# Altium PCB cat.PcbDoc (part 1 of 3) (continued)
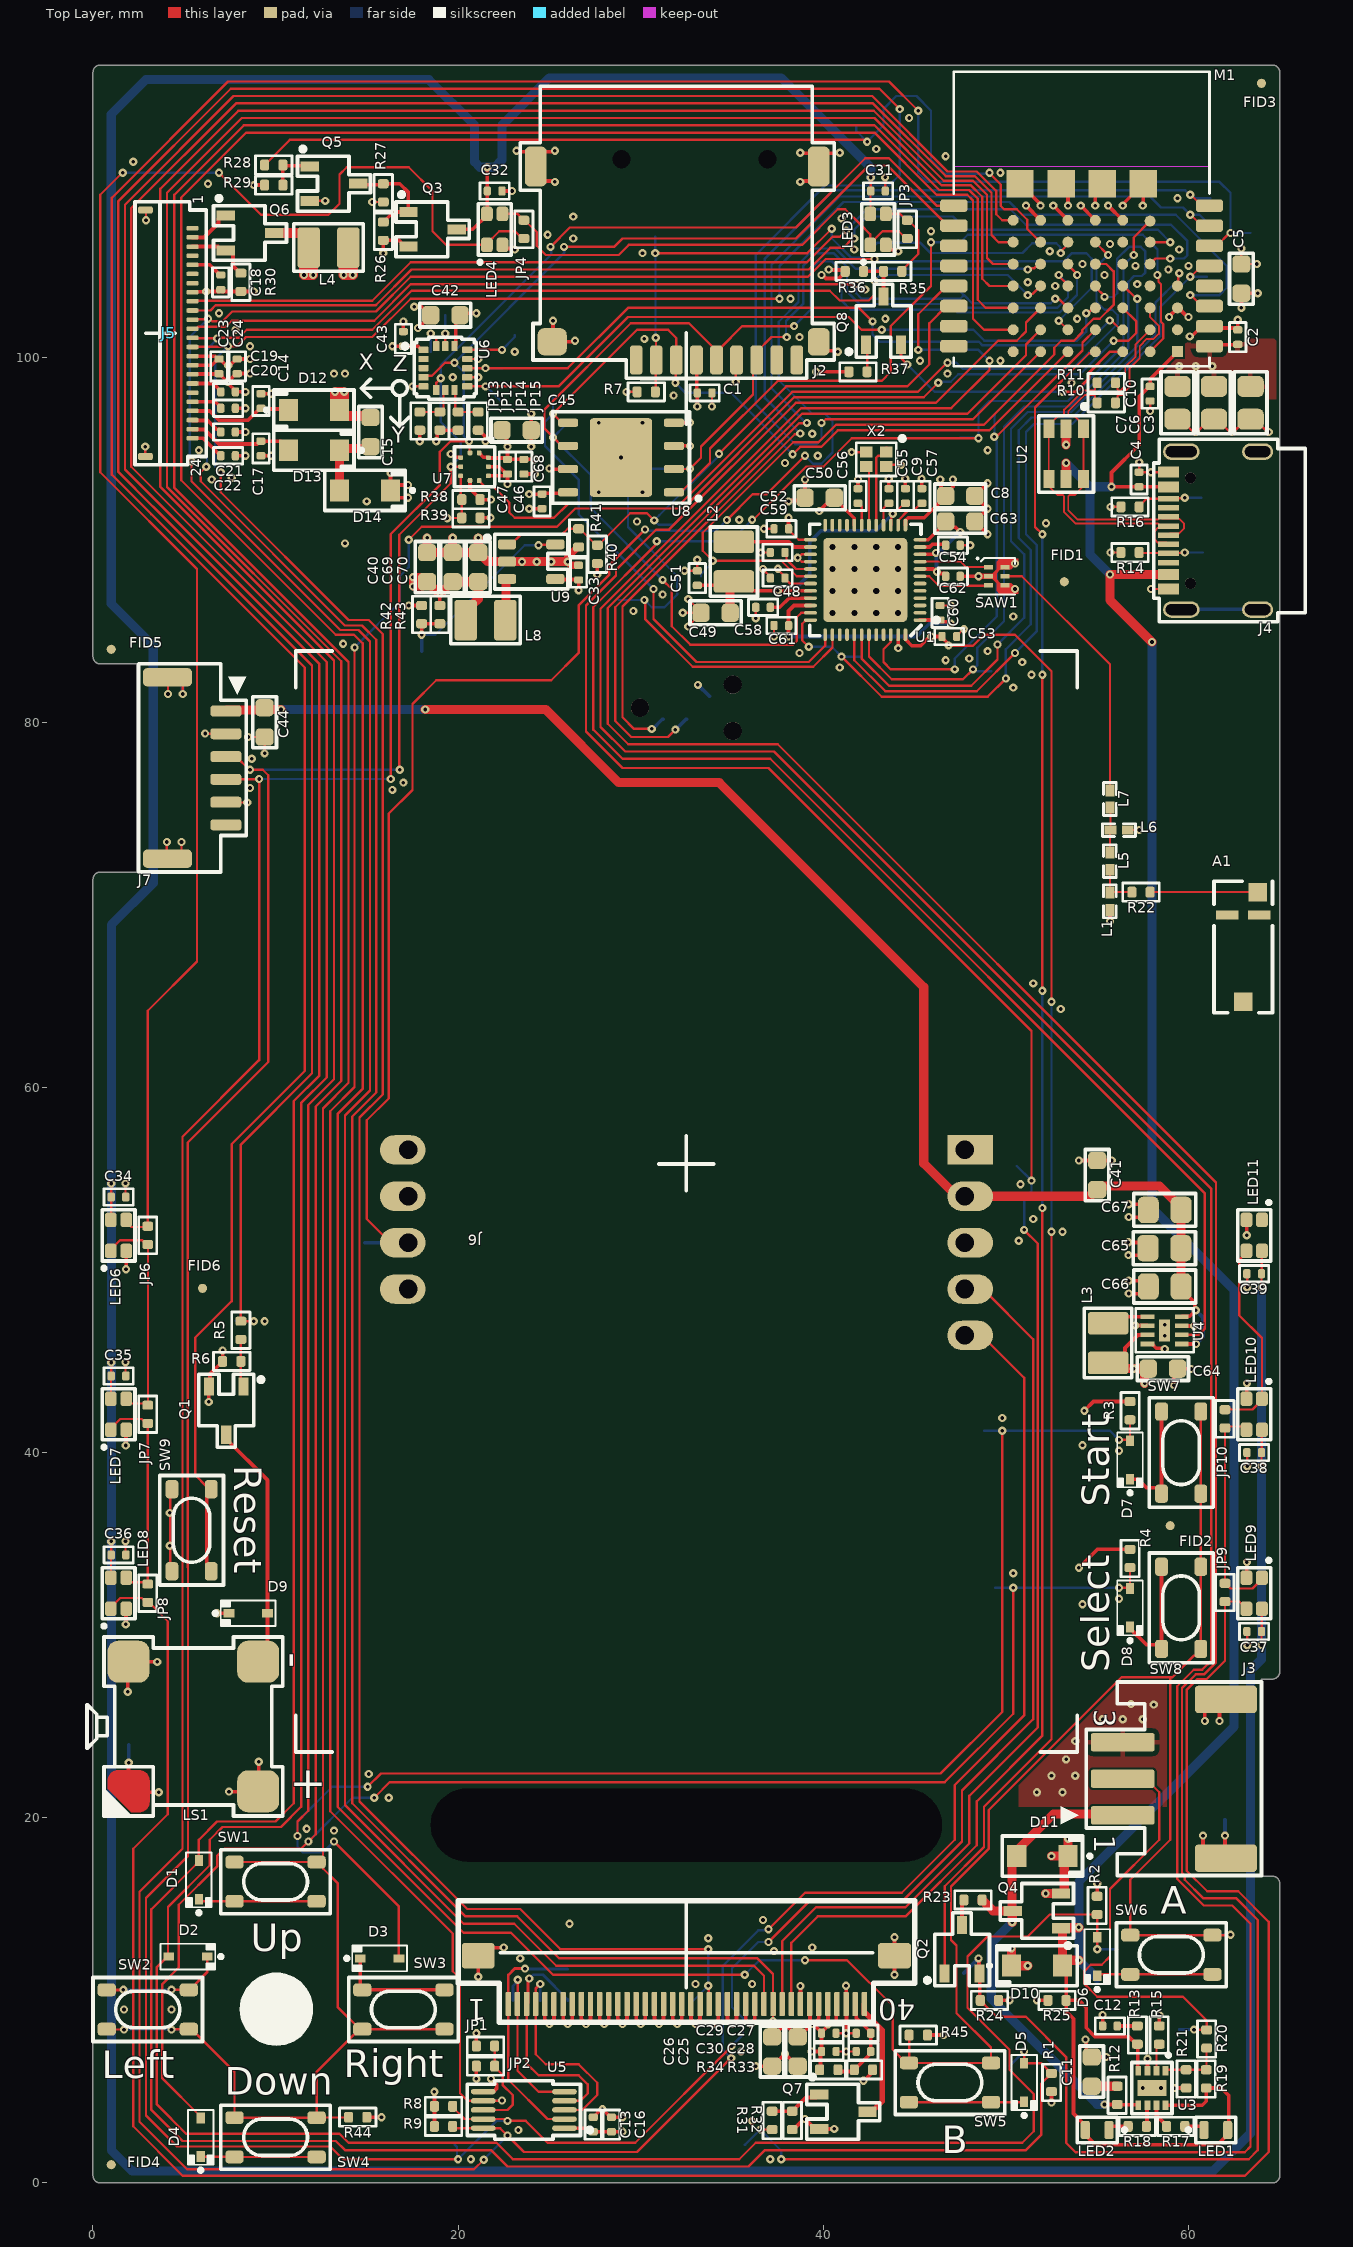
[diagram p0: Top Layer view]
## Classes and differential pairs
net class RF: ANTWIFI NetL1_2 NetL5_2 NetL7_2 NetSAW1_1 NetSAW1_3
component class sensors: C41 C42 C43 C44 C45 C46 C47 J7 JP12 JP13 JP14 JP15 M2 R38 R39 TP18 TP19 TP20 TP21 TP22 TP23 TP24 TP27 TP28 TP31 TP32 U6 U7
component class blinkenlights: C31 C32 C34 C35 C36 C37 C38 C39 JP3 JP4 JP6 JP7 JP8 JP9 JP10 LED3 LED4 LED6 LED7 LED8 LED9 LED10 LED11 Q8 R35 R36 R37 s
component class display: a C13 C14 C15 C16 C17 C18 C19 C20 C21 C22 C23 C24 C25 C26 C27 C28 C29 C30 D12 D13 D14 J5 J6 JP1 JP2 L4 Q6 Q7 R30 R31 R32 R33 R34 TP12 TP13 TP14 TP15 TP16 TP17 U5
differential pair class USB_DIFF: USB0 USB1
net class 90_OHM: USB0_D+ USB0_D- USB1_D+ USB1_D-
component class power: C10 C11 C12 C33 C40 C64 C65 C66 C67 C69 C70 D10 D11 J3 J4 L3 L8 LED1 LED2 Q2 Q3 Q4 Q5 R12 R13 R14 R15 R16 R17 R18 R19 R20 R21 R23 R24 R25 R26 R27 R28 R29 R40 R41 R42 R43 TP2 TP4 TP5 TP6 TP7 TP8 TP9 TP10 TP11 U2 U3 U4 U9
component class microcontroller: A1 C1 C2 C3 C4 C5 C6 C7 C8 C9 C48 C49 C50 C51 C52 C53 C54 C55 C56 C57 C58 C59 C60 C61 C62 C63 C68 FID1 FID2 FID3 FID4 FID5 FID6 J1 J2 L1 L2 L5 L6 L7 M1 R7 R8 R9 R10 R11 R22 SAW1 TP1 TP3 TP25 TP26 TP29 TP30 TP33 TP34 TP35 TP36 TP37 TP38 TP39 TP40 TP41 TP42 TP43 TP44 TP45 TP46 TP47 TP48 TP49 TP50 TP51 TP52 TP53 TP54 TP55 TP56 TP57 TP58 TP59 TP60 TP61 TP62 U1 U8 X2
component class user_interface: D1 D2 D3 D4 D5 D6 D7 D8 D9 LS1 Q1 R1 R2 R3 R4 R5 R6 R44 R45 SW1 SW2 SW3 SW4 SW5 SW6 SW7 SW8 SW9
differential pair USB1: +USB1_D+ -USB1_D-
differential pair USB0: +USB0_D+ -USB0_D-

## Components (designator, comment, footprint, x,y, rotation, side; value= is the part's Value field where it differs from the comment)
A1 "" NN03-320 63,67.7 r90 top locked value=NN03-320
C1 "GRM155R71E104KE14D" 0402_capacitor 33.5,98.043 r180 top
C2 "GRM155R71E104KE14D" 0402_capacitor 62.7,101.1 r90 top
C3 "GRT21BR61E226ME13L" 0805_capacitor 63.4,97.5 r90 top value=22μF
C4 "GRM155R71E104KE14D" 0402_capacitor 57.3,93.3 r90 top
C5 "CL10A106MA8NRNC" 0603_capacitor 62.9,104.3 r270 top value=10µF
C6 "GRT21BR61E226ME13L" 0805_capacitor 61.4,97.5 r90 top value=22μF
C7 "GRT21BR61E226ME13L" 0805_capacitor 59.4,97.5 r90 top value=22μF
C8 "C1608X5R1E475K080AC" 0603_capacitor 47.5,92.4 r180 top value=4.7μF
C9 "CL05Y474KP5VPJC" 0402_capacitor 44.5,92.4 r90 top
C10 "GRM155R71E104KE14D" 0402_capacitor 57.9,98 r90 top
C11 "CL10A106MA8NRNC" 0603_capacitor 54.7,6.1 r270 top value=10µF
C12 "CL05A475KP5NRNC" 0402_capacitor 55.7,8.6 r0 top value=4.7µF
C13 "GRM155R61E105KA12D" 0402_capacitor 27.4,3.2 r270 top
C14 "GRM155R61E105KA12D" 0402_capacitor 9.2,97.6 r270 top
C15 "C1608X5R1E475K080AC" 0603_capacitor 15.2,95.9 r270 top value=4.7μF
C16 "GRM155R71E104KE14D" 0402_capacitor 28.4,3.2 r270 top
C17 "GRM155R61E105KA12D" 0402_capacitor 9.2,95 r90 top
C18 "GRM155R61E105KA12D" 0402_capacitor 7,104.1 r90 top
C19 "GRM155R61E105KA12D" 0402_capacitor 7.4,98.1 r180 top
C20 "GRM155R61E105KA12D" 0402_capacitor 7.4,97.2 r180 top
C21 "GRM155R61E105KA12D" 0402_capacitor 7.4,95.9 r180 top
C22 "GRM155R61E105KA12D" 0402_capacitor 7.4,94.6 r180 top
C23 "GRM155R61E105KA12D" 0402_capacitor 6.9,99.5 r90 top
C24 "GRM155R71E104KE14D" 0402_capacitor 7.9,99.5 r90 top
C25 "CL10A106MA8NRNC" 0603_capacitor 38.6,7.2 r90 top value=10µF
C26 "CL10A106MA8NRNC" 0603_capacitor 37.2,7.2 r90 top value=10µF
C27 "GRM155R71E104KE14D" 0402_capacitor 42.2,8.2 r0 top
C28 "GRM155R71E104KE14D" 0402_capacitor 42.2,7.2 r0 top
C29 "GRM155R71E104KE14D" 0402_capacitor 40.3,8.2 r180 top
C30 "GRM155R71E104KE14D" 0402_capacitor 40.3,7.2 r180 top
C31 "GRM155R71E104KE14D" 0402_capacitor 43,109.1 r180 top
C32 "GRM155R71E104KE14D" 0402_capacitor 22,109.1 r180 top
C33 "CL05A475KP5NRNC" 0402_capacitor 26.6,88.2 r270 top value=4.7µF
C34 "GRM155R71E104KE14D" 0402_capacitor 1.4,54 r180 top
C35 "GRM155R71E104KE14D" 0402_capacitor 1.4,44.2 r180 top
C36 "GRM155R71E104KE14D" 0402_capacitor 1.4,34.4 r180 top
C37 "GRM155R71E104KE14D" 0402_capacitor 63.6,30.2 r0 top
C38 "GRM155R71E104KE14D" 0402_capacitor 63.6,40 r0 top
C39 "GRM155R71E104KE14D" 0402_capacitor 63.6,49.8 r0 top
C40 "CL10A106MA8NRNC" 0603_capacitor 18.3,88.5 r270 top value=10µF
C41 "CL10A106MA8NRNC" 0603_capacitor 55,55.2 r270 top value=10µF
C42 "CL10A106MA8NRNC" 0603_capacitor 19.3,102.3 r0 top value=10µF
C43 "GRM155R71E104KE14D" 0402_capacitor 17,101 r270 top
C44 "CL10A106MA8NRNC" 0603_capacitor 9.4,80 r90 top value=10µF
C45 "CL10A106MA8NRNC" 0603_capacitor 23.2,96 r180 top value=10µF
C46 "GRM155R71E104KE14D" 0402_capacitor 23.6,94 r90 top
C47 "GRM155R71E104KE14D" 0402_capacitor 22.7,94 r90 top
C48 "GRM155R61E105KA12D" 0402_capacitor 37.5,87.9 r0 top
C49 "C1608X5R1E475K080AC" 0603_capacitor 34.1,86 r0 top value=4.7μF
C50 "C1608X5R1E475K080AC" 0603_capacitor 39.8,92.3 r0 top value=4.7μF
C51 "GCM155R71C224KE02D" 0402_capacitor 33.1,87.901 r270 top value=220nF
C52 "GRM155D71C225ME11D" 0402_capacitor 37.7,90.6 r0 top value=2.2μF
C53 "GRM155D71C225ME11D" 0402_capacitor 46.9,84.7 r180 top value=2.2μF
C54 "CL05Y474KP5VPJC" 0402_capacitor 47.1,89.7 r180 top
C55 "GRM155D71C225ME11D" 0402_capacitor 43.6,92.4 r270 top value=2.2μF
C56 "GRM155R61E105KA12D" 0402_capacitor 41.9,92.4 r270 top
C57 "C0402C223K4RECAUTO" 0402_capacitor 45.4,92.4 r90 top value=22nF
C58 "GRM155R61E105KA12D" 0402_capacitor 36.7,86.3 r0 top
C59 "CL05B103KA5NNNC" 0402_capacitor 37.5,89.3 r0 top
C60 "GRM155D71C225ME11D" 0402_capacitor 46.4,86 r270 top value=2.2μF
C61 "GRM155R71E104KE14D" 0402_capacitor 37.7,85.3 r180 top
C62 "GRM155R71E104KE14D" 0402_capacitor 47.1,88 r0 top
C63 "C1608X5R1E475K080AC" 0603_capacitor 47.5,91 r180 top value=4.7μF
C64 "C1608X5R1E475K080AC" 0603_capacitor 58.6,44.6 r180 top value=4.7μF
C65 "GRT21BR61E226ME13L" 0805_capacitor 58.684,51.2 r0 top value=22μF
C66 "GRT21BR61E226ME13L" 0805_capacitor 58.7,49.1 r0 top value=22μF
C67 "GRT21BR61E226ME13L" 0805_capacitor 58.7,53.291 r0 top value=22μF
C68 "GRM155R71E104KE14D" 0402_capacitor 24.6,92.1 r90 top
C69 "CL10A106MA8NRNC" 0603_capacitor 19.7,88.5 r270 top value=10µF
C70 "CL10A106MA8NRNC" 0603_capacitor 21.1,88.5 r270 top value=10µF
D1 "BAS316,115" SOD-323 5.8,16.6 r90 top
D2 "BAS316,115" SOD-323 5.2,12.4 r180 top
D3 "BAS316,115" SOD-323 15.7,12.3 r0 top
D4 "BAS316,115" SOD-323 5.9,2.5 r90 top
D5 "BAS316,115" SOD-323 51,5.5 r90 top
D6 "BAS316,115" SOD-323 55,12.4 r90 top
D7 "BAS316,115" SOD-323 56.8,39.6 r90 top
D8 "BAS316,115" SOD-323 56.8,31.5 r90 top
D9 "BAS316,115" SOD-323 8.5,31.2 r0 top
D10 "SS34FA" SOD-123 51.7,11.9 r0 top
D11 "SS34FA" SOD-123 52,17.9 r180 top
D12 "SS2040FL" SOD-123 12.1,97.1 r0 top
D13 "SS2040FL" SOD-123 12.1,94.9 r180 top
D14 "SS2040FL" SOD-123 14.9,92.7 r180 top
FID1 "fiducial" fiducial-0.5 53.2,87.7 r90 top
FID2 "fiducial" fiducial-0.5 59,36 r90 top
FID3 "fiducial" fiducial-0.5 64,115 r90 top
FID4 "fiducial" fiducial-0.5 1,1 r90 top
FID5 "fiducial" fiducial-0.5 1,84 r90 top
FID6 "fiducial" fiducial-0.5 6,49 r90 top
J1 "SWD Debug" TAG-Connect 32.5,80.8 r0 bottom
J2 "Micro SD" TF-115YY-BCP9 32,106.343 r180 top locked
J3 "Battery Connector" S3B-PH-SM4-TB 59.2,22.137 r270 top
J4 "USB-C" USB_C_2.0_M12 62.4,90.5 r90 top
J5 "E-Paper: E2206KS0E1" E2206KS0E1 32.5,98.835 r0 top locked
J6 "LCD: CH240QV23A-T" CH240QV23A-T 32.5,48 r270 top locked
J7 "SEN55" SM06B-GHS-TB 5,77.5 r270 top
JP1 "RC0402FR-070RL" 0402_resistor 21.5,7.5 r0 top value=0Ω
JP2 "RC0402FR-070RL" 0402_resistor 21.5,6.4 r180 top value=0Ω
JP3 "RC0402FR-070RL" 0402_resistor 44.6,107 r270 top value=0Ω
JP4 "RC0402FR-070RL" 0402_resistor 23.6,107 r270 top value=0Ω
JP6 "RC0402FR-070RL" 0402_resistor 3,51.9 r270 top value=0Ω
JP7 "RC0402FR-070RL" 0402_resistor 3,42.1 r270 top value=0Ω
JP8 "RC0402FR-070RL" 0402_resistor 3,32.3 r270 top value=0Ω
JP9 "RC0402FR-070RL" 0402_resistor 62,32.345 r90 top value=0Ω
JP10 "RC0402FR-070RL" 0402_resistor 62,41.85 r90 top value=0Ω
JP12 "RC0402FR-070RL" 0402_resistor 19,96.5 r90 top value=0Ω
JP13 "RC0402FR-070RL" 0402_resistor 17.9,96.5 r270 top value=0Ω
JP14 "RC0402FR-070RL" 0402_resistor 20,96.5 r90 top value=0Ω
JP15 "RC0402FR-070RL" 0402_resistor 21.1,96.5 r270 top value=0Ω
L1 "" INDC1005X04L 55.7,70.2 r90 top value=7.5nH
L2 "DFE252012F-3R3M=P2" INDC2520X12N 35.1,88.8 r90 top value=3.3μH
L3 "252012CDMCDDS-1R0MC" INDC2520X12N 55.6,46 r90 top value=1.0μH
L4 "PA4335.103NLT" INDC2520X12N 12.9,106 r180 top value=10uH
L5 "" INDC1005X04L 55.7,72.4 r90 top value=2.7nH
L6 "" INDC1005X04L 56.2,74.1 r180 top value=7.5nH
L7 "" INDC1005X04L 55.7,75.8 r90 top value=2.7nH
L8 "252012CDMCDDS-1R0MC" INDC2520X12N 21.5,85.6 r180 top value=1.0μH
LED1 "XL-1608SURC-06" 0603_DIODE 61.5,2.9 r0 top
LED2 "XL-1608UGC-04" 0603_DIODE 55,2.9 r180 top
LED3 "E-paper Right" XL-1615RGBC-WS2812B 43,107 r90 top
LED4 "E-Paper Left" XL-1615RGBC-WS2812B 22,107 r90 top
LED6 "XL-1615RGBC-WS2812B" XL-1615RGBC-WS2812B 1.4,51.9 r90 top
LED7 "WS2812B" XL-1615RGBC-WS2812B 1.4,42.1 r90 top
LED8 "XL-1615RGBC-WS2812B" XL-1615RGBC-WS2812B 1.4,32.3 r90 top
LED9 "WS2812B" XL-1615RGBC-WS2812B 63.6,32.3 r270 top
LED10 "XL-1615RGBC-WS2812B" XL-1615RGBC-WS2812B 63.6,42.1 r270 top
LED11 "WS2812B" XL-1615RGBC-WS2812B 63.6,51.9 r270 top
LS1 "SMD-8503-3627-16" 8585_speaker 5.5,25 r270 top
M1 "nRF5340 Module" BT40 54.15,104.967 r0 top
M2 "CO2 Sensor" 006-0-0008 32.5,51.5 r180 bottom
Q1 "N-FET" SOT95P280X115-3N 7.3,42.3 r270 top
Q2 "N-FET" SOT95P280X115-3N 47.6,12.8 r90 top
Q3 "P-FET" SOT95P280X115-3N 18.6,107 r0 top
Q4 "P-FET" SOT95P280X115-3N 51.7,14.9 r180 top
Q5 "N-FET" SOT95P280X115-3N 13.2,109.5 r0 top
Q6 "N-FET" SOT95P280X115-3N 8.6,106.8 r0 top
Q7 "N-FET" SOT95P280X115-3N 41.1,3.9 r0 top
Q8 "N-FET" SOT95P280X115-3N 43.3,102 r90 top
R1 "RC0402FR-075K1L" 0402_resistor 52.5,5.5 r90 top value=5.1kΩ
R2 "RC0402FR-075K1L" 0402_resistor 55,15.2 r270 top value=5.1kΩ
R3 "RC0402FR-075K1L" 0402_resistor 56.8,42.3 r270 top value=5.1kΩ
R4 "RC0402FR-075K1L" 0402_resistor 56.8,34.2 r270 top value=5.1kΩ
R5 "RC0402JR-071KL" 0402_resistor 8.1,46.7 r270 top value=1kΩ
R6 "RC0402FR-0710KL" 0402_resistor 7.6,45 r180 top value=10kΩ
R7 "RC0402FR-07100KL" 0402_resistor 30.3,98.1 r0 top value=100kΩ
R8 "RC0402FR-072K2L" 0402_resistor 19.2,4.2 r0 top value=2.2kΩ
R9 "RC0402FR-072K2L" 0402_resistor 19.2,3.1 r0 top value=2.2kΩ
R10 "RC0402FR-070RL" 0402_resistor 55.5,97.5 r0 top value=0Ω
R11 "RC0402FR-070RL" 0402_resistor 55.5,98.6 r0 top value=0Ω
R12 "0402WGF100KTCE" 0402_resistor 56.1,4.8 r270 top value=1Ω
R13 "0402WGF100KTCE" 0402_resistor 57.2,8.1 r270 top value=1Ω
R14 "RC0402FR-075K1L" 0402_resistor 56.8,89.3 r0 top value=5.1kΩ
R15 "Rset" 0402_resistor 58.4,8.1 r270 top value=1kΩ
R16 "RC0402FR-075K1L" 0402_resistor 56.8,91.8 r0 top value=5.1kΩ
R17 "RC0402JR-071KL" 0402_resistor 59.3,3.1 r180 top value=1kΩ
R18 "RC0402JR-071KL" 0402_resistor 57.2,3.1 r0 top value=1kΩ
R19 "RC0402FR-076K8L" 0402_resistor 60.975,5.7 r90 top value=6.8kΩ
R20 "RC0402JR-071KL" 0402_resistor 61,7.886 r270 top value=1kΩ
R21 "Rset" 0402_resistor 59.875,5.7 r90 top value=1kΩ
R22 "RC0402FR-070RL" 0402_resistor 57.4,70.7 r0 top value=0Ω
R23 "RC0402FR-07100KL" 0402_resistor 48.2,15.5 r0 top value=100kΩ
R24 "RC0402FR-07100KL" 0402_resistor 49.1,10 r180 top value=100kΩ
R25 "RC0402FR-07100KL" 0402_resistor 52.8,10 r0 top value=100kΩ
R26 "RC0402FR-075K1L" 0402_resistor 15.9,106.9 r270 top value=5.1kΩ
R27 "RC0402FR-0710KL" 0402_resistor 15.9,109 r270 top value=10kΩ
R28 "RC0402JR-071KL" 0402_resistor 9.9,110.525 r0 top value=1kΩ
R29 "RC0402FR-0710KL" 0402_resistor 9.9,109.425 r180 top value=10kΩ
R30 "RL0402FR-070R47L" 0402_resistor 8.1,104.1 r90 top value=0.47Ω
R31 "RC0402JR-071KL" 0402_resistor 37.2,3.425 r90 top value=1kΩ
R32 "RC0402FR-0710KL" 0402_resistor 38.3,3.425 r270 top value=10kΩ
R33 "RC0402JR-0710RL" 0402_resistor 42.2,6.2 r0 top value=10Ω
R34 "RC0402JR-0710RL" 0402_resistor 40.3,6.2 r180 top value=10Ω
R35 "RMCF0402FT27R0" 0402_resistor 43.8,104.7 r0 top
R36 "RC0402FR-075K1L" 0402_resistor 41.7,104.7 r180 top value=5.1kΩ
R37 "RC0402FR-075K1L" 0402_resistor 41.9,99.2 r180 top value=5.1kΩ
R38 "RC0402FR-070RL" 0402_resistor 20.7,92.2 r180 top value=0Ω
R39 "RC0402FR-070RL" 0402_resistor 20.7,91.2 r0 top value=0Ω
R40 "RC0402FR-0710KL" 0402_resistor 27.625,89.2 r270 top value=10kΩ
R41 "RC0402FR-0710KL" 0402_resistor 26.6,90.1 r90 top value=10kΩ
R42 "RC0402FR-07100KL" 0402_resistor 18,85.9 r270 top value=100kΩ
R43 "RC0402FR-07442KL" 0402_resistor 19,85.9 r90 top value=442kΩ
R44 "RC0402JR-071KL" 0402_resistor 14.5,3.6 r180 top value=1kΩ
R45 "RC0402JR-071KL" 0402_resistor 45.2,8.1 r180 top value=1kΩ
SAW1 "Diplexer" CAF-50P160X80-6N 49.5,88 r0 top
SW1 "Up" PTS815 10,16.5 r180 top locked
SW2 "Left" PTS815 3,9.5 r0 top locked
SW3 "Right" PTS815 17.003,9.5 r0 top locked
SW4 "Down" PTS815 10,2.5 r180 top locked
SW5 "B" PTS815 46.938,5.5 r180 top locked
SW6 "A" PTS815 59.062,12.5 r180 top locked
SW7 "Start" PTS815 59.6,40 r90 top
SW8 "Select" PTS815 59.6,31.5 r90 top
SW9 "Reset" PTS815 5.4,35.75 r90 top
TP1 "test_point-1" test_point-1 61.15,100.599 r90 bottom
TP2 "test_point-1" test_point-1 18,83.9 r90 bottom
TP3 "test_point-1" test_point-1 30.8,106.6 r90 bottom
TP4 "test_point-1" test_point-1 59.5,8.4 r0 bottom
TP5 "test_point-1" test_point-1 50.346,15.339 r90 bottom
TP6 "test_point-1" test_point-1 60.7,89.3 r180 bottom
TP7 "test_point-1" test_point-1 60.7,92.3 r180 bottom
TP8 "test_point-1" test_point-1 55,11.2 r90 bottom
TP9 "test_point-1" test_point-1 1.958,24.001 r90 bottom
TP10 "test_point-1" test_point-1 54.6,90.6 r0 bottom
TP11 "test_point-1" test_point-1 50.3,11.9 r90 bottom
TP12 "test_point-1" test_point-1 26,11.7 r90 bottom
TP13 "test_point-1" test_point-1 24.5,10 r90 bottom
TP14 "test_point-1" test_point-1 26,10 r90 bottom
TP15 "test_point-1" test_point-1 23,10 r90 bottom
TP16 "SENSOR_SDA" test_point-1 23.5,1.8 r0 bottom
TP17 "SENSOR_SCL" test_point-1 19.8,2.1 r0 bottom
TP18 "CO2_nRDY" test_point-1 14.9,51.5 r90 bottom
TP19 "SENSOR_SDA" test_point-1 62,19.9 r90 bottom
TP20 "test_point-1" test_point-1 22.4,99.4 r90 bottom
TP21 "test_point-1" test_point-1 22.4,97.6 r90 bottom
TP22 "test_point-1" test_point-1 18.5,100.3 r90 bottom
TP23 "test_point-1" test_point-1 19.3,102.3 r90 bottom
TP24 "test_point-1" test_point-1 23.2,101.3 r90 bottom
TP25 "test_point-1" test_point-1 49.4,96.8 r90 bottom
TP26 "test_point-1" test_point-1 33.3,88 r90 bottom
TP27 "SENSOR_SDA" test_point-1 61.8,86.2 r90 bottom
TP28 "SENSOR_SDA" test_point-1 20.3,91.2 r180 bottom
TP29 "test_point-1" test_point-1 49.2,82.8 r90 bottom
TP30 "test_point-1" test_point-1 21.375,4.5 r90 bottom
TP31 "SENSOR_SCL" test_point-1 52.2,99.757 r90 bottom
TP32 "SENSOR_SDA" test_point-1 4.906,82.606 r270 bottom
TP33 "test_point-1" test_point-1 61.3,104.4 r90 bottom
TP34 "test_point-1" test_point-1 47.7,11.5 r90 bottom
TP35 "test_point-1" test_point-1 32.3,91.3 r90 bottom
TP36 "test_point-1" test_point-1 41.8,112.6 r90 bottom
TP37 "test_point-1" test_point-1 57.4,102 r90 bottom
TP38 "test_point-1" test_point-1 61.2,107.2 r90 bottom
TP39 "test_point-1" test_point-1 61.2,108.7 r90 bottom
TP40 "test_point-1" test_point-1 63.4,106.8 r90 bottom
TP41 "test_point-1" test_point-1 43.6,99.6 r90 bottom
TP42 "test_point-1" test_point-1 47.5,95.6 r90 bottom
TP43 "test_point-1" test_point-1 43,107.3 r90 bottom
TP44 "test_point-1" test_point-1 49.635,107.665 r90 bottom
TP45 "test_point-1" test_point-1 50.2,6.4 r90 bottom
TP46 "test_point-1" test_point-1 56.1,12.8 r90 bottom
TP47 "test_point-1" test_point-1 48.8,41.2 r90 bottom
TP48 "test_point-1" test_point-1 49.4,32.6 r90 bottom
TP49 "test_point-1" test_point-1 5.4,8.4 r90 bottom
TP50 "test_point-1" test_point-1 61.3,13.6 r90 bottom
TP51 "test_point-1" test_point-1 35.7,2.1 r90 bottom
TP52 "test_point-1" test_point-1 7.825,47.225 r90 bottom
TP53 "test_point-1" test_point-1 37.2,7.8 r90 bottom
TP54 "test_point-1" test_point-1 32.8,9.9 r90 bottom
TP55 "test_point-1" test_point-1 47.4,106.4 r90 bottom
TP56 "test_point-1" test_point-1 5.4,93.2 r90 bottom
TP57 "test_point-1" test_point-1 25.2,97.8 r90 bottom
TP58 "test_point-1" test_point-1 28.8,86.7 r90 bottom
TP59 "test_point-1" test_point-1 47.5,103.6 r90 bottom
TP60 "test_point-1" test_point-1 50.6,55.7 r90 bottom
TP61 "test_point-1" test_point-1 25.9,96.3 r90 bottom
TP62 "test_point-1" test_point-1 42,83.6 r90 bottom
U1 "Wi-Fi6 Companion Chip" QFN40P600X600X60-48N 42.3,87.8 r180 top
U2 "USB TVS" SOT95P280X110-6N 53.3,94.7 r270 top
U3 "Li+ Charger" SON50P200X80_HS-9N 58,5.2 r270 top
U4 "5V Boost" SON50P200X50_HS-9N 58.7,46.7 r0 top
U5 "Resistive Touch Controller" TSSOP50P490X112-10N 23.6,4 r180 top
U6 "3-Axis Accelerometer" LGA50P300X300X100-16N 19.3,99.4 r0 top locked
U7 "Barometer" LPS22 20.9,94 r270 top
U8 "128Mb Flash" WDFN-8 28.92,94.505 r180 top
U9 "Buck" SOT95P280X115-5N 24,88.8 r0 top
X2 "40MHz" 1612_CRYSTAL 42.9,94.4 r180 top

## Footprints (in the part's own frame and the unit in brackets; to place one, negate y for a bottom-side part, rotate by r counter-clockwise, add the part's x,y. Pads: shape width x height; smd on the part's side, far side on the other; paste and mask are expansions set on the pad)
006-0-0008 [mm] "Sunrise CO2 sensor"
  rect 2.5x1.62 hole 1.02 copper offset -0.3,0: 1(-15.24,5.08)
  oval 2.5x1.62 hole 1.02 copper offset -0.3,0: 2(-15.24,2.54) 3(-15.24,0) 4(-15.24,-2.54) 5(-15.24,-5.08)
  oval 2.5x1.62 hole 1.02 copper offset 0.3,0: 6(15.24,-2.54) 7(15.24,0) 8(15.24,2.54) 9(15.24,5.08)
  silkscreen extent -17.04,-9.85 17,9.85, body extent -17.04,-9.85 16.51,9.85, height 14.02
0402_capacitor [mm] "0402 chip capacitor"
  rrect50% 0.4x0.5 smd: 1(-0.4,0) 2(0.4,0)
  silkscreen extent -0.8,-0.45 0.8,0.45, body extent -0.53,-0.28 0.53,0.28, height 0.55
0402_resistor [mm] "Chip Resistor, 2-Leads, Body 1.00x0.50mm, IPC Medium Density"
  rrect50% 0.5x0.6 smd: 1(-0.5,0) 2(0.5,0)
  silkscreen extent -1,-0.5 1,0.5, body extent -0.53,-0.28 0.53,0.28, height 0.4
0603_capacitor [mm] "Chip Capacitor, 2-Leads, Body 1.60x0.80mm, IPC Medium Density"
  rrect50% 0.95x1 smd: 1(-0.8,0) 2(0.8,0)
  silkscreen extent -1.4,-0.65 1.4,0.65, body extent -0.87,-0.48 0.87,0.48, height 0.87
0603_DIODE [mm]
  rrect50% 0.5x1 smd: 1(-0.65,0) 2(0.65,0)
  silkscreen extent -1.61,-0.7 1.1,0.7, body extent -0.81,-0.4 0.81,0.4, height 0.74
0805_capacitor [mm] "Chip Capacitor, 2-Leads, Body 2.00x1.25mm, IPC Medium Density"
  rrect50% 1.15x1.45 smd: 1(-0.9,0) 2(0.9,0)
  silkscreen extent -1.7,-0.9 1.7,0.9, body extent -1.15,-0.72 1.15,0.72, height 0.95
1612_CRYSTAL [mm] "Crystal 1.6 x 1.2 mm"
  rect 0.7x0.6 smd: 1(-0.55,-0.4) 2(0.55,-0.4) 3(0.55,0.4) 4(-0.55,0.4)
  silkscreen extent -1.55,-1.27 1.09,0.91, body extent -0.83,-0.63 0.83,0.63, height 0.41
8585_speaker [mm]
  rrect50% 2.3x2.3 smd: +(3.55,3.55) -(-3.55,3.55) MP(-3.55,-3.55)
  round 0.025 smd: MP(3.55,-3.55)
  Top Layer region: 4.125,-2.4 4.345,-2.444 4.532,-2.568 4.656,-2.755 4.7,-2.975 4.7,-2.975 4.7,-3.4 3.4,-4.7 2.975,-4.7 2.755,-4.656 2.568,-4.532 2.444,-4.345 2.4,-4.125 2.4,-4.125 2.4,-2.975 2.444,-2.755 2.568,-2.568 2.755,-2.444 2.975,-2.4 2.975,-2.4
  silkscreen extent -4.9,-5.82 4.9,4.9, body extent -4.3,-4.3 4.3,4.3, height 3
BT40 [mm] "BLE Module"
  rrect50% 1.5x0.7 smd: 1(-7,3.332) 2(-7,2.232) 3(-7,1.132) 4(-7,0.032) 5(-7,-1.068) 6(-7,-2.168) 7(-7,-3.268) 8(-7,-4.368) 9(7,-4.368) 10(7,-3.268) 11(7,-2.168) 12(7,-1.068) 13(7,0.032) 14(7,1.132) 15(7,2.232) 16(7,3.332)
  round 0.6 smd: A0(-2.25,2.533) A1(-2.25,1.333) A2(-2.25,0.133) A3(-2.25,-1.067) A4(-2.25,-2.267) A5(-2.25,-3.467) A6(-2.25,-4.667) B0(-0.75,2.533) B1(-0.75,1.333) B2(-0.75,0.133) B3(-0.75,-1.067) B4(-0.75,-2.267) B5(-0.75,-3.467) B6(-0.75,-4.667) C0(0.75,2.533) C1(0.75,1.333) C2(0.75,0.133) C3(0.75,-1.067) C4(0.75,-2.267) C5(0.75,-3.467) C6(0.75,-4.667) D0(2.25,2.533) D1(2.25,1.333) D2(2.25,0.133) D3(2.25,-1.067) D4(2.25,-2.267) D5(2.25,-3.467) D6(2.25,-4.667) E0(3.75,2.485) E1(3.75,1.333) E2(3.75,0.133) E3(3.75,-1.067) E4(3.75,-2.267) E5(3.75,-3.467) E6(3.75,-4.667) F3(5.25,-1.067) F4(5.25,-2.267) F5(5.25,-3.467) Z0(-3.75,2.533) Z1(-3.75,1.333) Z2(-3.75,0.133) Z3(-3.75,-1.067) Z4(-3.75,-2.267) Z5(-3.75,-3.467) Z6(-3.75,-4.667)
  rect 0.6x0.6 smd: F6(5.25,-4.667)
  rect 1.5x1.5 smd: H0(-3.375,4.533) H1(-1.125,4.533) H2(1.125,4.533) H3(3.375,4.533)
  Top Layer keep-out region: -7,5.5 6.997,5.5 6.997,10.662 -7,10.662
  silkscreen extent -7.01,-5.47 7,10.66, body extent -7,-5.38 7,10.66, height 2.01
CAF-50P160X80-6N [mm] "Chip Array, Flat, 6-Leads, Pitch 0,50mm,  Body 1,60x0,80mm,  IPC Medium Density"
  rect 0.5x0.25 smd mask+0.08: 1(-0.45,0.5) 2(-0.45,0) 3(-0.45,-0.5) 5(0.45,-0.5) 6(0.45,0) 7(0.45,0.5)
  Top Layer region: 0.786,0.375 0.2,0.375 0,0.175 0,-0.175 0.2,-0.375 0.789,-0.375 1.175,-0.761 1.175,-0.95 0.15,-0.95 0,-0.8 0,-0.375 -0.25,-0.125 -0.8,-0.125 -0.9,-0.225 -1,-0.225 -1,0.225 -0.9,0.225 -0.8,0.125 -0.25,0.125 0,0.375 0,0.8 0.15,0.95 1.175,0.95 1.175,0.764
  silkscreen extent -1.1,-1 1,1.02, body extent -0.53,-0.88 0.47,0.88, height 0.7
CH240QV23A-T [mm]
  rrect25% 1.3x0.3 smd: 1(38.2,-9.75) 2(38.2,-9.25) 3(38.2,-8.75) 4(38.2,-8.25) 5(38.2,-7.75) 6(38.2,-7.25) 7(38.2,-6.75) 8(38.2,-6.25) 9(38.2,-5.75) 10(38.2,-5.25) 11(38.2,-4.75) 12(38.2,-4.25) 13(38.2,-3.75) 14(38.2,-3.25) 15(38.2,-2.75) 16(38.2,-2.25) 17(38.2,-1.75) 18(38.2,-1.25) 19(38.2,-0.75) 20(38.2,-0.25) 21(38.2,0.25) 22(38.2,0.75) 23(38.2,1.25) 24(38.2,1.75) 25(38.2,2.25) 26(38.2,2.75) 27(38.2,3.25) 28(38.2,3.75) 29(38.2,4.25) 30(38.2,4.75) 31(38.2,5.25) 32(38.2,5.75) 33(38.2,6.25) 34(38.2,6.75) 35(38.2,7.25) 36(38.2,7.75) 37(38.2,8.25) 38(38.2,8.75) 39(38.2,9.25) 40(38.2,9.75)
  rrect25% 1.4x1.8 smd: MP(35.55,-11.4) MP(35.55,11.4)
  round 0 hole 4 slot 28 at 90 deg unplated: ""(28.4,0)
  silkscreen extent -35.91,-21.4 39.2,21.4, body extent -35.87,-21.36 38.35,21.36, height 3.5
E2206KS0E1 [mm]
  rrect50% 0.65x0.25 smd: 1(-27.05,8.222) 2(-27.05,7.722) 3(-27.05,7.222) 4(-27.05,6.722) 5(-27.05,6.222) 6(-27.05,5.722) 7(-27.05,5.222) 8(-27.05,4.722) 9(-27.05,4.222) 10(-27.05,3.722) 11(-27.05,3.222) 12(-27.05,2.722) 13(-27.05,2.222) 14(-27.05,1.722) 15(-27.05,1.222) 16(-27.05,0.722) 17(-27.05,0.222) 18(-27.05,-0.278) 19(-27.05,-0.778) 20(-27.05,-1.278) 21(-27.05,-1.778) 22(-27.05,-2.278) 23(-27.05,-2.778) 24(-27.05,-3.278)
  rrect50% 0.8x0.4 smd: MP(-29.625,-4.278) MP(-29.625,9.222)
  silkscreen extent -30.2,-4.73 2.5,9.67, body extent -39.45,-14.75 26,14.75, height 3.85
fiducial-0.5 [mm]
  round 0.5 smd paste-0.25 mask+0.5: F(0,0)
INDC1005X04L [mm]
  rect 0.65x0.5 smd: 1(-0.475,0) 2(0.475,0)
  silkscreen extent -0.9,-0.35 0.9,0.35, body extent -0.5,-0.28 0.5,0.33, height 0.5
INDC2520X12N [mm] "Chip Inductor, 2-Leads, Body 2.50x2.00mm, IPC Medium Density"
  rrect25% 1.23x2.22 smd: 1(-1.085,0) 2(1.085,0)
  silkscreen extent -1.9,-1.3 1.9,1.3, body extent -1.35,-1.1 1.35,1.1, height 1.2
LGA50P300X300X100-16N [mm] "LGA, 16-Leads, Body 3.00x3.00mm, Pitch 0.50mm, IPC Medium Density"
  rrect20% 0.55x0.35 smd: 1(-1.2,1) 2(-1.2,0.5) 3(-1.2,0) 4(-1.2,-0.5) 5(-1.2,-1) 9(1.2,-1) 10(1.2,-0.5) 11(1.2,0) 12(1.2,0.5) 13(1.2,1)
  rrect20% 0.35x0.55 smd: 6(-0.5,-1.2) 7(0,-1.2) 8(0.5,-1.2) 14(0.5,1.2) 15(0,1.2) 16(-0.5,1.2)
  silkscreen extent -4.6,-3.2 1.7,1.7, body extent -1.58,-1.58 1.58,1.58, height 1
LPS22 [mm] "LGA-10"
  rrect50% 0.275x0.25 smd: 1(-0.76,0.25) 2(-0.76,-0.25) 6(0.76,-0.25) 7(0.76,0.25)
  rrect50% 0.25x0.275 smd: 3(-0.5,-0.76) 4(0,-0.76) 5(0.5,-0.76) 8(0.5,0.76) 9(0,0.76) 10(-0.5,0.76)
  silkscreen extent -1.6,-1.1 1.1,1.1, body extent -1,-1 1,1, height 0.81
NN03-320 [mm]
  rect 1x1 smd: 1(-3,0) 4(3,-0.8)
  rect 0.5x1.25 smd: 2(1.75,-0.875) 3(1.75,0.875)
  Multi-Layer pour cut-out: -3.5,1.5 3.5,1.5 3.5,-1.5 -3.5,-1.5
  silkscreen extent -3.6,-1.6 3.6,1.6, body extent -3.5,-1.5 3.5,1.5, height 2.01
PTS815 [mm]
  rrect50% 1x0.7 smd: 1(-2.25,1.075) 2(2.25,1.075) 3(-2.25,-1.075) 4(2.25,-1.075)
  silkscreen extent -3,-1.75 3,1.75, body extent -2.25,-1.6 2.25,1.6, height 2.5
QFN40P600X600X60-48N [mm] "QFN, 48-Leads, Body 6.1x6.1mm (max), Pitch 0.40mm, IPC Medium Density"
  oval 0.7x0.2 smd: 1(-3,2.2) 2(-3,1.8) 3(-3,1.4) 4(-3,1) 5(-3,0.6) 6(-3,0.2) 7(-3,-0.2) 8(-3,-0.6) 9(-3,-1) 10(-3,-1.4) 11(-3,-1.8) 12(-3,-2.2) 25(3,-2.2) 26(3,-1.8) 27(3,-1.4) 28(3,-1) 29(3,-0.6) 30(3,-0.2) 31(3,0.2) 32(3,0.6) 33(3,1) 34(3,1.4) 35(3,1.8) 36(3,2.2)
  oval 0.2x0.7 smd: 13(-2.2,-3) 14(-1.8,-3) 15(-1.4,-3) 16(-1,-3) 17(-0.6,-3) 18(-0.2,-3) 19(0.2,-3) 20(0.6,-3) 21(1,-3) 22(1.4,-3) 23(1.8,-3) 24(2.2,-3) 37(2.2,3) 38(1.8,3) 39(1.4,3) 40(1,3) 41(0.6,3) 42(0.2,3) 43(-0.2,3) 44(-0.6,3) 45(-1,3) 46(-1.4,3) 47(-1.8,3) 48(-2.2,3)
  rrect10% 4.6x4.6 smd: EP(0,0)
  silkscreen extent -4.03,-3.05 3.05,3.05, body extent -3.02,-3.02 3.02,3.02, height 0.86
S3B-PH-SM4-TB [mm]
  rrect25% 1x3.5 smd: 1(2,-2.8) 2(0,-2.8) 3(-2,-2.8)
  rrect25% 1.5x3.4 smd: MP(-4.35,2.85) MP(4.35,2.85)
  silkscreen extent -5.3,-6.2 5.3,4.8, body extent -4.95,-4.15 4.95,4.45, height 5.61
SM06B-GHS-TB [mm]
  rrect50% 0.6x1.7 smd: 1(-3.12,2.28) 2(-1.872,2.28) 3(-0.624,2.28) 4(0.624,2.28) 5(1.872,2.28) 6(3.12,2.28)
  rrect50% 1x2.7 smd: MP(-4.97,-0.92) MP(4.97,-0.92)
  silkscreen extent -5.7,-2.5 5.7,3.4, body extent -5.37,-2.15 5.38,2.7, height 4.36
SOD-123 [mm] "SODFL, 2-Leads, Body 1.78x3.70mm, IPC Medium Density"
  rect 1.05x1.2 smd: A(1.4,0) K(-1.4,0)
  silkscreen extent -2.7,-1.12 2.2,1.12, body extent -1.85,-0.96 1.85,0.96, height 1
SOD-323 [mm] "Diode Standard 75V 150mA Surface Mount SOD-323"
  rect 0.59x0.45 smd: A(1.055,0) K(-1.055,0)
  silkscreen extent -1.9,-0.7 1.5,0.7, body extent -1.25,-0.7 1.25,0.7, height 1.2